# KiCad board pannel_v2.kicad_pcb (continued)
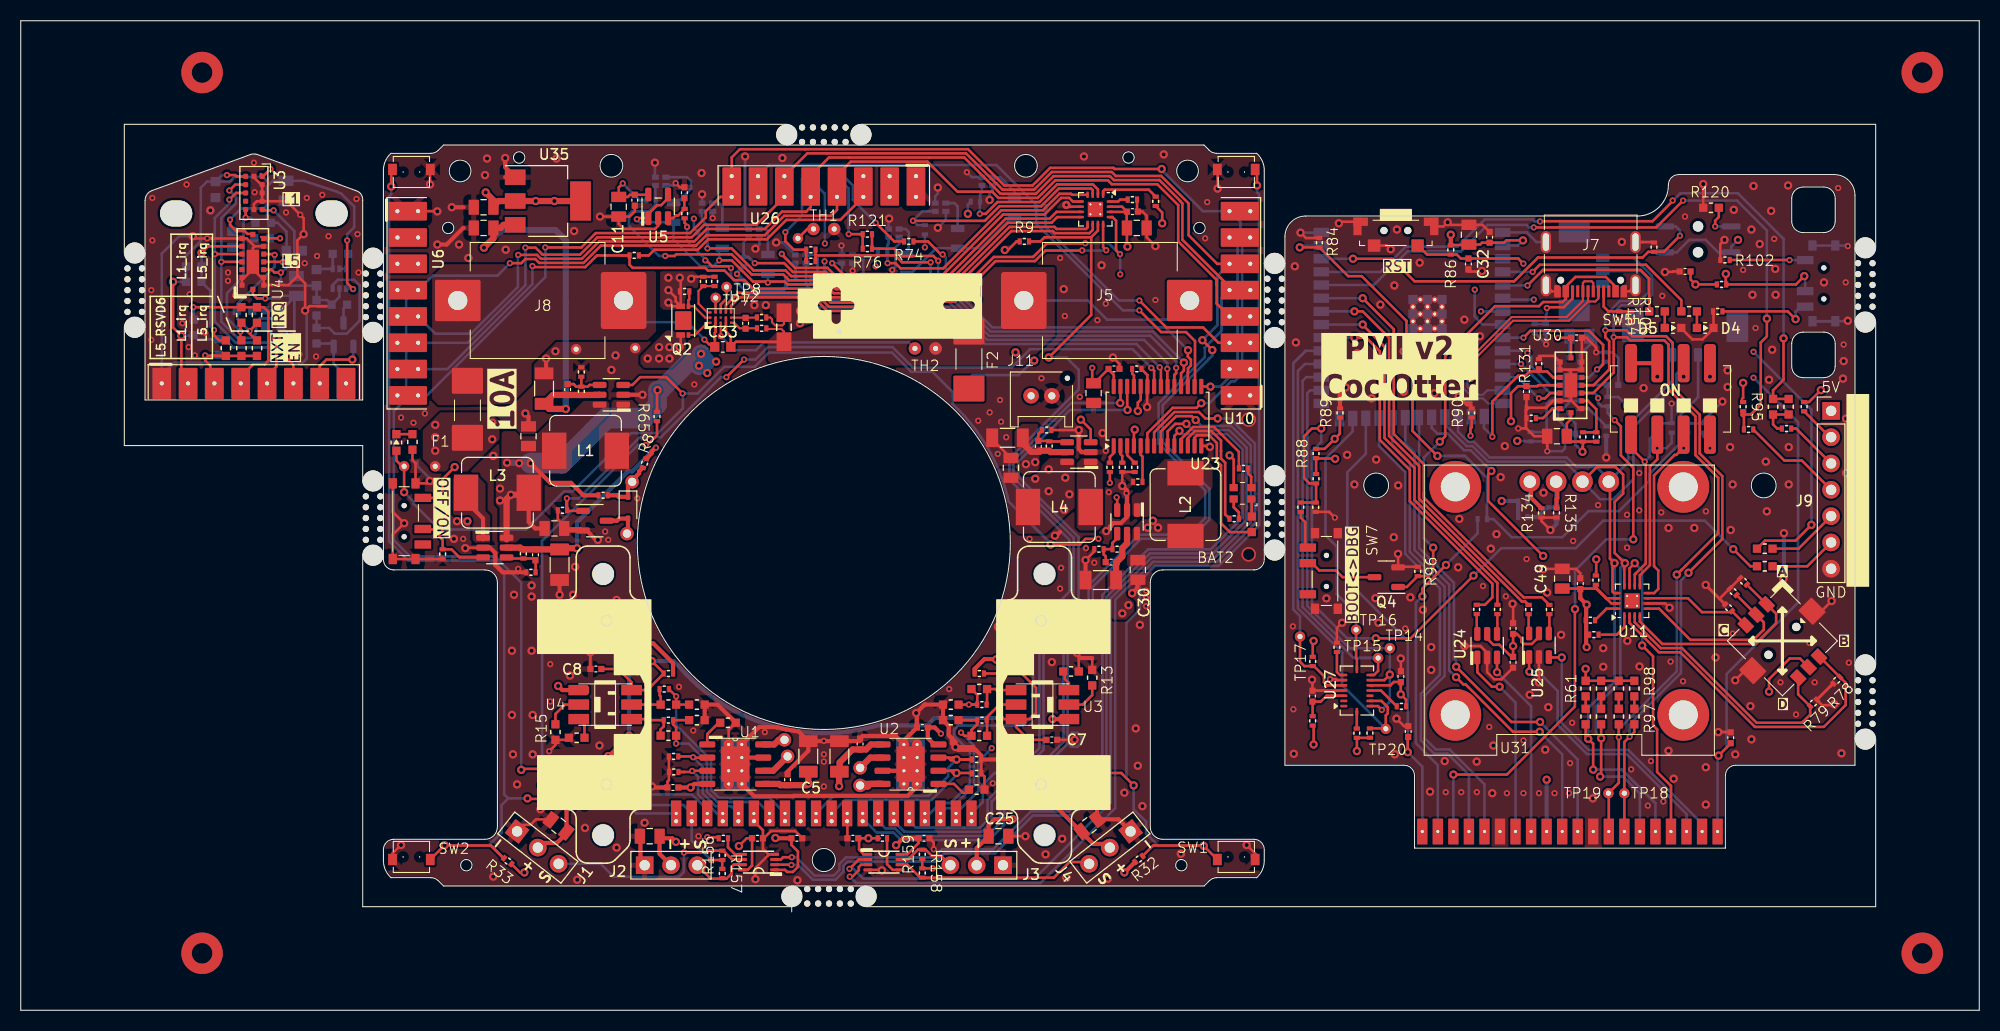
[diagram p0: board, top side]
## Routing (per net, layer and track width the routed paths; a pad name or vN(x,y) marks a point on that pad's centre or on a via; arc(x,y) is an arc through that point) (continued)
  Bottom w0.4: J50.2 J50.2
/actuators/enable_tof_1_3v3: length 55.7
  Top w0.25: v3(107.95,67.55) 110.05,65.45 112.45,65.45 113.32,64.58 113.32,60.24 113.28,60.2 113.28,59.58
  Bottom w0.25: v3(107.95,67.55) 106.35,67.55 98,75.9 R85.2 98,77.72 94.15,81.58 72.22,81.58 U26.7
/actuators/enable_tof_2_3v3: length 87.5
  Top w0.25: v3(49.38,71.83) 49.47,71.72 54.47,71.72 55.6,72.85 57.9,72.85 ; 57.9,72.85 R87.2 58.75,71.95 59.05,71.65 66.06,71.65 66.32,71.39 67.91,71.39 68.83,70.47 69.83,70.47 70.65,69.65 76.8,69.65 78.15,68.3 83.06,68.3 v3(83.39,68.63) ; 57.9,72.85 58.45,72.85 ; v3(110.65,61.9) 110.65,60.23 110.68,60.2
  Top w0.4: 38.34,61.88 36.75,61.88
  Bottom w0.25: v3(110.65,61.9) 110.65,62.45 108.4,64.7 93.25,64.7 89.32,68.63 83.39,68.63 v3(83.39,68.63) ; v3(49.38,71.83) 49.38,70.08 41.17,61.88 U6.7
/actuators/enable_tof_3v3: length 27.1
  Top w0.25: U23.6 108.72,55.7 111.17,58.14 113.46,58.14 v2(113.92,58.59)
  Top w0.4: 116.07,74.58 116.98,74.58
  Bottom w0.25: v2(113.92,58.59) 114.71,58.59 116.81,60.7 117.13,60.7 117.88,61.44 117.88,73.81 U10.7
/actuators/led_RGB_b_3v3: length 43.5
  Top w0.25: U23.19 111.32,61.33 111.5,61.5 v3(111.5,62) ; R117.1 R11.1 ; 76.7,72.85 84.38,72.85 85.05,72.19 v3(87.8,72.19)
  Bottom w0.25: v3(87.8,72.19) 87.8,70.72 93.42,65.1 109,65.1 111.5,62.6 v3(111.5,62)
/actuators/led_RGB_g_3v3: length 40
  Top w0.25: 82.45,73.5 82.9,73.5 ; 82.9,73.5 R76.1 R121.1 ; 82.9,73.5 84.3,73.5 84.7,73.1 85,72.8 88.07,72.8 v3(88.53,72.33) ; v2(112.24,62.51) 112.24,61.74 111.97,61.47 U23.18
  Bottom w0.25: v2(112.24,62.51) 109.25,65.5 93.58,65.5 88.53,70.55 v3(88.53,72.33)
/actuators/led_RGB_r_3v3: length 35.9
  Top w0.25: v3(88.97,72.95) 88.8,72.95 87.55,74.2 R74.1 ; v2(112.64,63.7) 112.64,63.4 112.62,63.38 112.62,63.08 112.92,62.79 112.92,62.23 112.64,61.95 112.64,61.58 112.62,61.56 U23.17
  Bottom w0.25: v3(88.97,72.95) 89.27,72.64 89.27,70.38 93.75,65.9 110.44,65.9 v2(112.64,63.7)
/actuators/led_vbatt_B: length 12.5
  Top w0.25: U23.12 112.62,55.21 113.3,55.89 114.91,55.89 115.83,54.97 115.83,53.98 115.82,53.98 115.82,53.25 116.23,52.85 116.23,47.86 R62.2
/actuators/led_vbatt_G: length 9.3
  Top w0.25: U23.11 111.97,55.13 113.13,56.29 115.16,56.29 117.55,53.9 R63.2
/actuators/led_vbatt_R: length 14.6
  Top w0.25: 113.28,54.47 113.28,55.26 113.5,55.49 114.68,55.49 115.43,54.75 115.43,53 115.83,52.6 115.83,47 116.68,46.15 R64.2
/actuators/line_led_pwm_3v3: length 55.4
  Top w0.25: v3(64.3,75.6) 64.3,75.77 64.07,76 R31.1 ; v3(66.06,72.38) 66.21,72.22 66.3,72.22 66.72,71.8 68.31,71.8 68.48,71.64 v3(68.54,71.64) ; U23.21 110.03,61.95 109.93,62.05 v3(109.91,62.05)
  Bottom w0.25: v3(109.91,62.05) 107.66,64.3 93.09,64.3 89.53,67.85 75.95,67.85 74.8,69 70.35,69 68.54,70.81 v3(68.54,71.64) ; v3(66.06,72.38) 66.06,72.46 64.3,74.22 v3(64.3,75.6)
/actuators/scl_3v3: length 125.8
  Top w0.25: U7.12 104.45,73.65 v3(104.75,73.35) ; 106.78,60.2 106.78,57.96 v2(106.8,57.94) ; v3(102.43,73.34) 102.47,73.38 102.47,73.43 102.36,73.32 98.89,73.32 97.87,72.3 94.07,72.3 90.17,68.4 84.57,68.4 83.66,67.5 77.82,67.5 76.52,68.8 69.37,68.8 68.55,67.98 U12.E3
  In1.Cu w0.25: v3(104.75,73.35) 106.8,71.3 v2(106.8,57.94)
  Bottom w0.25: J50.15 85.28,17.22 92.76,17.22 93.7,18.17 93.7,20.13 98.7,25.13 98.7,35.8 102.08,39.18 102.08,45.69 96.3,51.47 96.3,52.98 101.25,57.93 106.8,57.93 v2(106.8,57.94) ; v3(102.43,73.34) 102.45,73.32 104.72,73.32 v3(104.75,73.35)
  Bottom w0.4: J50.15 J50.15
/actuators/sda_3v3: length 125
  Top w0.25: U23.27 106.12,58.63 v2(106.1,58.61) ; U7.13 105.35,76.55 105.7,76.2 105.7,73.35 v3(106.08,72.98) ; v3(106.1,71.02) 106.12,71 106.12,70.9 ; U12.D3 68.05,68.05 69.25,69.25 76.64,69.25 77.99,67.9 83.5,67.9 84.4,68.8 90,68.8 93.9,72.7 97.7,72.7 99,74 102.7,74 v3(102.72,74.03)
  In1.Cu w0.25: v2(106.1,58.61) v3(106.1,71.02)
  Bottom w0.25: v2(106.1,58.61) 101.36,58.61 95.8,53.05 95.8,51.4 101.6,45.6 101.6,45.6 101.6,39.27 98.3,35.97 98.3,25.3 93.3,20.3 93.3,18.33 92.59,17.62 86.38,17.62 J50.16 ; v3(106.1,71.02) 106.1,72.95 v3(106.08,72.98) 106.02,72.98 104.97,74.03 v3(102.72,74.03)
  Bottom w0.4: J50.16 J50.16
/actuators/servo_pwm_0_3v3: length 86.1
  Top w0.25: v3(74.41,14.77) 73.57,14.77 73.35,14.55 U21.3 ; U23.10 111.32,55.43 v2(111.81,55.92) 111.9,55.84
  Bottom w0.25: v3(74.41,14.77) 74.83,14.77 76.6,13 78.45,13 79,13.55 79,14.12 79.63,14.75 88.13,14.75 88.93,15.55 93.85,15.55 97.5,19.2 101.15,19.2 104.37,22.42 104.37,40.07 108.79,44.49 114.84,44.49 117.9,47.55 117.9,54.1 116.4,55.6 112.14,55.6 v2(111.81,55.92) 111.82,55.92
/actuators/servo_pwm_0_5V: length 20.8
  Top w0.25: v3(64,15.23) 66.23,15.23 66.4,15.4 R156.2 67.8,15.4 68.65,14.55 U21.6
  Bottom w0.25: J1.3 55.96,14.14 57.22,12.88 63.52,12.88 64,13.36 v3(64,15.23)
/actuators/servo_pwm_1_3v3: length 88.4
  Top w0.25: 110.68,54.47 110.68,55.86 111.41,56.6 112.48,56.6 v2(112.49,56.59) ; 74.34,14.05 U21.2
  Bottom w0.25: v3(74.37,14.02) 75.01,14.02 76.43,12.6 78.62,12.6 79.4,13.38 79.4,13.95 79.8,14.35 88.3,14.35 89.1,15.15 94.02,15.15 97.67,18.8 101.32,18.8 104.77,22.25 104.77,39.9 108.96,44.09 115.04,44.09 118.3,47.35 118.3,54.3 116.6,56 113.08,56 v2(112.49,56.59)
/actuators/servo_pwm_1_5V: length 6.9
  Top w0.25: U21.7 69,14.05 69.2,14.05 68.8,14.05 68.6,13.85 68.6,13.2 68.1,12.7 66.59,12.7 J2.3 65.79,13.5
/actuators/servo_pwm_2_3v3: length 86.3
  Top w0.25: v3(79.97,13.65) 80.87,14.55 U17.2 ; v2(113.38,56.96) 113.01,57.34 111.5,57.34 110.03,55.86 U23.8
  Bottom w0.25: v2(113.38,56.96) 113.94,56.4 116.8,56.4 118.7,54.5 118.7,47.15 115.24,43.69 109.12,43.69 105.17,39.74 105.17,20.05 97.82,12.7 81.3,12.7 81.05,12.95 80.33,13.67 80,13.67 v3(79.97,13.65)
/actuators/servo_pwm_2_5V: length 5.9
  Top w0.25: U17.7 85.62,14.55 86.57,15.5 R159.2 87.33,15.5 87.93,14.9 88.81,14.9 J3.3
/actuators/servo_pwm_3_3v3: length 88.8
  Top w0.25: U23.7 109.38,55.78 111.33,57.74 113.7,57.74 114.32,57.11 v2(115.5,57.11) ; U17.3 81.1,14.05 80.88,13.82 80.88,13.52 80.25,12.9 v3(80,12.9)
  Bottom w0.25: v2(115.5,57.11) 116.69,57.11 119.1,54.7 119.1,46.95 115.44,43.29 109.29,43.29 105.62,39.62 105.62,19.5 98.39,12.28 80.62,12.28 v3(80,12.9)
/actuators/servo_pwm_3_5V: length 19.2
  Top w0.25: U17.6 85.55,14.05 86.8,12.8 R158.2 99.7,12.8 101.2,14.3 102.9,14.3
/boards interface/com/boot/dl_select_3v3: length 81.4
  Top w0.25: v2(165.26,44.5) 166.91,42.85 R140.1 ; v2(130.76,35.9) 134.12,35.9 138.9,40.67 138.92,40.67 v2(140.19,41.95) ; v2(125.5,56.15) 124.6,56.15 123.85,55.4 123.85,51.35 124.35,50.85 R93.2 125,49 123.41,49
  Bottom w0.25: v2(130.76,35.9) 128,35.9 124.6,39.3 124.6,53.95 125.5,54.85 v2(125.5,56.15) U32.27 ; v2(140.19,41.95) 140.22,41.95 142.87,44.6 150.06,44.6 152.71,47.25 162.51,47.25 v2(165.26,44.5) 165.31,44.45
/boards interface/com/ctc_left: length 78.1
  Top w0.25: 165.01,25.88 165.01,25.75 v2(163.84,24.57)
  In1.Cu w0.25: v3(167.21,61.05) 164.41,63.85 161.66,63.85 156.96,68.55 146.05,68.55 v3(146.01,68.58)
  Bottom w0.25: J49.20 163.75,24.49 v2(163.84,24.57) ; v2(163.84,24.57) 164.61,25.35 164.61,32.45 171.51,39.35 171.51,56.75 v3(167.21,61.05) ; v2(163.84,24.57) 163.96,24.7 ; U32.6 143.13,68.58 v3(146.01,68.58)
/boards interface/com/ctc_right: length 45.2
  Top w0.25: 134.01,26.37 133.85,26.21 v2(133.85,24.91)
  Bottom w0.25: U32.24 129.81,53.71 128.01,51.92 128.01,41.46 133.85,35.62 v2(133.85,24.91) 135.25,23.51 J49.1
/boards interface/com/dir_left: length 46
  Bottom w0.25: J49.5 141.25,21.81 137.88,25.18 136.55,25.18 135.51,26.22 135.51,30.38 137.4,32.27 137.4,40.89 134.05,44.24 134.05,52.9 132.34,54.61 U32.22
/boards interface/com/dir_right: length 47.9
  Top w0.25: v2(146.61,27.83) 143.85,27.83 v2(138.53,33.15)
  Bottom w0.25: v2(138.53,33.15) 138.51,33.16 138.51,33.75 138.3,33.96 138.3,41.26 134.95,44.61 134.95,57.14 U32.20 ; v2(146.61,27.83) 150.25,24.19 J49.11
/boards interface/com/emergency_stop_3v3: length 42.1
  Top w0.25: v2(164.54,71.07) 164.54,70.27 ; v2(172.11,70.85) 171.31,70.05 R119.2 164.76,70.05
  In1.Cu w0.25: v2(164.54,71.07) 160.8,71.07 159.23,72.63 143.39,72.63 v3(140.31,69.55)
  Bottom w0.25: v2(172.11,70.85) 172.2,70.76 SW3.B ; v3(140.31,69.55) 140.31,66.95 141.08,66.18 U32.8
/boards interface/com/EN_ESP32_3v3: length 64.1
  Top w0.25: v2(172.8,46.85) 171.28,45.33 168.32,45.33 R139.1 ; SW10.2 134.85,73.8 135.72,72.93 R86.2 138.58,72.93 138.96,72.55 144.51,72.55 v3(145.01,72.06)
  In1.Cu w0.25: v3(145.01,72.06) 145.01,72.06 156.91,72.06 157.99,70.98 157.99,70.97 158.38,70.57 158.39,70.57 162.61,66.35 164.41,66.35 v3(167.21,63.55)
  Bottom w0.25: v3(145.01,72.06) 144.86,72.2 144.86,72.2 144.53,72.53 U32.3 ; v3(167.21,63.55) 172.8,57.96 v2(172.8,46.85)
/boards interface/com/esp32_dbg_rx_3v3: length 68.6
  Top w0.25: 166.1,57.5 166.95,57.5 167.91,58.46 167.91,64.45 168.5,65.04 v2(168.5,66.75) ; 166.05,57.45 166.15,57.35 ; 166.21,57.5 166.29,57.42 R136.1 ; v3(160.42,78.15) 157.82,75.55 v3(146.01,75.55)
  Bottom w0.25: U32.36 130.58,69.99 133.84,73.25 139,73.25 141.54,75.8 145.31,75.8 145.56,75.55 v3(146.01,75.55) ; v2(168.5,66.75) 168.5,75.26 165.62,78.15 v3(160.42,78.15)
/boards interface/com/esp32_dbg_tx_3v3: length 3.5
  Top w0.25: R137.1 169.5,56.14 169.1,56.54 R91.2 R92.2
/boards interface/com/led_com_3v3: length 18.3
  Top w0.25: v3(145.4,69.95) 146.9,71.45 156.31,71.45 157.15,70.61 R83.1
  Bottom w0.25: v3(145.4,69.95) 143.04,69.95 U32.5
/boards interface/com/led_esp_3v3: length 20
  Top w0.25: R82.1 160.25,68.53 156.83,71.95 146.59,71.95 v3(145.9,71.26)
  Bottom w0.25: v3(145.9,71.26) 145.9,71.26 U32.4
/boards interface/com/left_encod_A_3v3: length 36.2
  Top w0.25: R144.2 141.3,39.14 142.01,39.85 142.01,41.17 134.05,49.13 134.05,52.15 131.15,55.05 131.15,63.6 129.84,64.91 v2(128.7,64.91)
  Bottom w0.25: v2(128.7,64.91) U32.32
/boards interface/com/left_encod_B_3v3: length 36.4
  Top w0.25: v2(129.5,66.18) 129.5,66.15 131.6,64.05 131.6,55.24 134.5,52.34 134.5,49.24 142.5,41.24 R145.2
  Bottom w0.25: U32.33 v2(129.5,66.18)
/boards interface/com/pwm_left: length 45.8
  Bottom w0.25: J49.4 139.75,22.71 137.69,24.78 136.39,24.78 135.11,26.05 135.11,30.55 136.95,32.39 136.95,40.7 133.6,44.05 133.6,51.95 131.07,54.47 U32.23
/boards interface/com/pwm_right: length 47.8
  Top w0.25: v2(146.58,26.88) 144,26.88 139.43,31.45 139.21,31.45 v2(138.51,32.15)
  Bottom w0.25: v2(138.51,32.15) 137.85,32.81 137.85,41.07 134.5,44.42 134.5,53.85 133.62,54.73 U32.21 ; v2(146.58,26.88) 148.75,24.71 J49.10
/boards interface/com/right_encod_A_3v3: length 42.6
  Top w0.25: v2(129.5,68.72) 132.5,65.72 132.5,55.61 135.4,52.71 135.4,49.95 ; R147.2 146.79,39.85 145.02,39.85 135.4,49.47 ; 135.4,49.47 135.4,49.95 ; 135.4,49.47 135.4,49.95
  Bottom w0.25: U32.35 v2(129.5,68.72)
/boards interface/com/right_encod_B_3v3: length 39.1
  Top w0.25: R146.2 145.19,39.45 144.86,39.45 134.95,49.36 134.95,52.52 132.05,55.42 132.05,64.9 129.5,67.45 v2(128.7,67.45)
  Bottom w0.25: U32.34 v2(128.7,67.45)
/boards interface/com/start_robot_3v3: length 39.5
  Top w0.25: v3(160.11,74.75) 158.56,73.2 157.06,73.2 156.51,72.65 146.41,72.65 144.11,70.35 134.5,70.35 132.32,72.53 v2(128.56,72.53)
  Bottom w0.25: v2(128.56,72.53) U32.38 ; v3(160.11,74.75) 160.11,75.25 159.71,75.65 U18.4
/boards interface/com/USB_D+: length 24.6
  Top w0.2: J7.A6 151.75,70.2 151.6,70.35 150.9,70.35 150.75,70.2 J7.B6 150.75,68.47 149.19,66.9 143.87,66.9 139.26,62.3 139.26,61.35 v2(138.96,61.05) 139.01,61.05
  Bottom w0.2: U32.14 141.6,58.56 141.11,59.05 140.21,59.05 139.21,60.05 139.21,60.8 v2(138.96,61.05)
/boards interface/com/USB_D-: length 23.1
  Top w0.2: 151.25,68.4 149.4,66.55 144.01,66.55 139.61,62.15 139.61,61.34 v2(139.91,61.04) ; 151.25,68.4 J7.A7 ; 151.25,68.4 151.95,68.4 152.25,68.7 J7.B7
  Bottom w0.2: v2(139.91,61.04) 139.61,60.74 139.61,60.14 140.36,59.4 141.11,59.4 141.54,59.83 U32.13
/boards interface/com/USB_VBUS: length 47.2
  Top w0.25: v2(136.94,54.88) 137.46,55.4 137.46,63.14 142.27,67.95 146.51,67.95 146.91,68.35 148.8,68.35 149.1,68.65 J7.A9 149.1,69.84 150.03,70.78 152.97,70.78 153.9,69.84 J7.A4 ; v2(136.3,44.65) 136.3,42.34 135.86,41.9 R96.1 133.76,40.85 Q4.1
  Bottom w0.25: v2(136.94,54.88) 135.4,53.34 135.4,45.55 v2(136.3,44.65)
/boards interface/dig_servo_cmd_top_3v3: length 73.4
  Top w0.25: 123.4,73.65 v2(123.43,73.62) 125.32,73.62 128.09,70.85 129.41,70.85 133.73,66.53 133.73,64.83 134.31,64.25 134.31,55.9 v2(136.71,53.5)
  Bottom w0.25: 137.91,53.5 139.26,53.5 ; 137.91,53.5 139.38,53.5 141.49,51.39 R103.1 142.11,47.4 143.86,45.65 148.76,45.65 151.29,48.17 154.24,48.17 157.16,51.1 157.16,51.75 159.99,54.58 159.99,57.29 161.86,59.17 J6.4 ; 137.91,53.5 v2(136.71,53.5) ; U32.39 123.6,73.8 v2(123.43,73.62)
/boards interface/i2C_io_int_3v3: length 85.4
  Top w0.25: 103.3,74.6 103.3,67.1 v2(99.2,63) ; 103.3,74.6 103.95,75.25 U7.11 ; 103.3,74.6 98.8,74.6 98.4,74.2 R9.2
  Bottom w0.25: J50.17 87.73,19 88.73,20 89.73,20 91.59,21.86 91.59,24.96 90.07,26.49 90.07,27.08 90.46,27.47 96.68,27.47 97.69,28.49 97.69,38.13 98.38,38.82 99.62,38.82 101.2,40.4 101.2,45.4 96.2,50.4 96.2,50.43 95.4,51.23 95.4,53.21 102.1,59.91 102.1,61.8 100.9,63 v2(99.2,63)
  Bottom w0.4: J50.17 J50.17
/boards interface/i2c_io_int_3v3: length 59.9
  Top w0.25: J49.17 159.25,21.66 157.91,22.99 157.91,27.11 157.52,27.51 157.52,34.16 v2(156.47,35.21) ; v2(155.75,43.15) 155.25,42.65 U11.11 ; 152,42.26 152.04,42.3 v2(152.04,43.52) ; v2(146.91,43.85) 141.61,49.15 141.61,51.75 v2(141.91,52.05)
  In1.Cu w0.25: 155.75,43.15 155.48,42.88 155.48,42.87 155.08,42.47 155.07,42.47 154.95,42.35 153.21,42.35 v2(152.04,43.52) 150.14,43.52 149.81,43.85 v2(146.91,43.85)
  Bottom w0.25: v2(141.91,52.05) 139.91,54.05 139.28,54.05 137.68,55.65 136.71,55.65 136.16,56.21 U32.19 ; v2(156.47,35.21) 156.47,36.08 156.47,36.09 156.47,42.42 v2(155.75,43.15) 155.75,43.15
/boards interface/interface/conf0: length 18.9
  Top w0.25: U11.10 155.75,42.05 155.85,42.15 155.85,42.15 156.81,43.12 156.81,52.85 v3(156.71,52.95) 155.39,54.27 SW5.1
  Bottom w0.25: R68.1 157.21,55.15 157.21,53.45 v3(156.71,52.95)
/boards interface/interface/conf1: length 18.2
  Top w0.25: 157.92,55.78 157.92,55.56 SW5.2 157.93,53.17 157.21,52.45 157.21,42.95 156.25,41.99 U11.9
  Bottom w0.25: v3(157.91,54.25) 158.81,54.25 159.31,54.75 R69.1
/boards interface/interface/conf2: length 19.5
  Top w0.25: 160.46,55.78 160.46,54.3 159.76,53.6 159.6,53.6 157.61,51.62 157.61,42.86 158.03,42.45 158.03,40.66 157.62,40.26 U11.8
  Bottom w0.25: v3(160.47,54.25) 160.81,54.59 R70.1
/boards interface/interface/conf3: length 35
  In1.Cu w0.25: v3(140.91,67.45) 141.21,67.15 154.56,67.15 159.16,62.55 159.16,60 163.01,56.15 v3(163.01,54.25)
  Bottom w0.25: 163.01,54.75 v3(163.01,54.25) ; 163.01,54.75 163.01,55.05 R71.1 ; 163.01,54.75 162.31,55.45 ; v3(140.91,67.45) U32.7
/boards interface/interface/select0: length 26
  Top w0.25: SW4.6 171.52,30.49 R79.1 172.68,28.53 171.9,27.75 167.51,27.75 160.31,34.95 158.25,34.95 155.75,37.45 U11.3
/boards interface/interface/select1: length 20.1
  Top w0.25: 166.78,40.87 168.46,39.19 SW4.1 169.4,38.27 169.4,37.37 167.38,35.35 158.41,35.35 156.25,37.51 U11.4
/boards interface/interface/select2: length 10.6
  Top w0.25: SW4.3 166.46,37.19 165.23,38.42 162.24,38.42 160.9,39.76 U11.7
/boards interface/interface/select3: length 32.4
  Top w0.25: SW4.4 173.58,34.13 176.1,31.61 176.1,29.45 174,27.35 167.35,27.35 160.15,34.55 158.08,34.55 155.25,37.38 U11.2
/boards interface/interface/select4: length 17.1
  Top w0.25: U11.5 158.1,38.76 161.11,35.75 167.21,35.75 168.2,36.74 168.2,37.45 SW4.2 165.78,39.87
/boards interface/left_encod_raw_A_3v3: length 18.8
  Top w0.25: U24.1 140.56,32.62 141.96,31.22 v2(142.71,31.22)
  Bottom w0.25: v2(142.71,31.22) 144.25,29.69 J49.7
/boards interface/left_encod_raw_B_3v3: length 18.2
  Top w0.25: v2(142.46,32.62) U24.3
  Bottom w0.25: J49.8 145.75,29.34 v2(142.46,32.62) 142.47,32.62
/boards interface/right_encod_raw_A_3v3: length 25.9
  Top w0.25: U25.3 147.5,34.05 v2(148.71,34.05)
  Bottom w0.25: v2(148.71,34.05) 148.71,27.72 151.3,25.12 155.14,25.12 162.25,18.01 J49.19
/boards interface/right_encod_raw_B_3v3: length 25.9
  Top w0.25: U25.1 145.56,32.7 v2(145.59,32.68)
  Bottom w0.25: J49.18 160.75,18.95 154.97,24.72 151.14,24.72 148.31,27.55 148.31,30.8 146.44,32.68 v2(145.59,32.68)
/boards interface/scl_tof_3v3: length 186.1
  Top w0.25: v2(114.03,64.67) v2(114.99,63.71) ; v3(48.7,73.6) 49.69,73.6 50.36,72.92 53.98,72.92 55.65,74.6 64.75,74.6 65.95,75.8 70.99,75.8 U26.6 ; 116.65,71.84 U10.6 115.46,72.04 112.7,74.8 112.7,77.87 110.05,80.52 105.67,80.52 105.28,80.9 99.51,80.9 97.81,79.2 94.75,79.2 94.15,79.8 94.12,79.8 91.22,82.7 77.83,82.7 77.83,82.7 75.9,82.7 73.7,80.5 U26.6 ; 81.28,18.47 81.25,18.5 ; 36.75,64.42 38.42,64.42
  Bottom w0.25: J50.13 81.51,18.25 82.61,17.15 84.22,17.15 84.94,16.42 93.43,16.42 94.9,17.9 94.9,19.6 101.03,25.73 101.03,25.82 101.42,25.42 101.98,25.42 102.38,25.82 102.38,26.38 101.98,26.78 101.42,26.78 101.03,26.38 101.03,35.62 103.45,38.05 103.45,40.85 108.1,45.5 112.87,45.5 114.7,47.33 114.7,50.34 110.2,54.84 110.2,58.4 114.66,62.86 114.66,62.86 114.99,63.19 v2(114.99,63.71) ; U10.6 115.47,70.86 115.47,66.11 v2(114.03,64.67) ; v3(48.7,73.6) 48.7,69.97 43.15,64.42 U6.6
  Bottom w0.4: 81.28,18.47 81.25,18.5
/boards interface/scl_top_3v3: length 84.6
  Top w0.25: v2(152.41,22.55) 152.51,22.65 v2(152.51,26.25) R59.2 ; U11.12 154.75,43.1 v2(154.8,43.15) 153.81,44.14 153.81,49.05 154.63,49.87 154.63,51.7 153.91,52.42 152.09,52.42 150.82,51.15
  Bottom w0.25: J6.3 160.61,62.25 159.76,61.4 159.76,60.4 155.61,56.25 155.61,51.25 153.69,49.33 152.4,49.33 U31.3 ; J49.15 156.25,20.91 154.61,22.55 v2(152.41,22.55) ; v2(154.8,43.15) 154.36,42.71 154.36,31.7 152.01,29.35 152.01,26.75 v2(152.51,26.25) ; 150.8,51.13 150.82,51.15 149.95,52.02 149.94,52.02 149.02,52.95 141.58,52.95 140.08,54.45 139.51,54.45 137.4,56.56 137.4,57.25 ; 150.8,51.02 150.77,51.05
/boards interface/scl_top_tof_3v3: length 100.4
  Top w0.25: J49.13 153.25,20.91 TP19.1 154.21,21.95 R100.2 ; v2(159.81,42.05) 160.26,42.5 163.81,46.05 163.81,51.38 161.61,53.58 161.61,57.32 159.01,59.92 159.01,64.25 158.61,64.65 155.31,64.65 155.01,64.95 153.72,64.95 v3(153.72,64.96) 153.72,61.54 151.74,59.57 U30.C3
  In1.Cu w0.25: v3(153.72,64.96) 153.72,65.74 153.21,66.25 147.36,66.25 144.78,63.67 v3(144.78,62.37)
  Bottom w0.25: U22.C3 147.58,59.57 v3(144.78,62.37) U32.11 ; v3(153.72,64.96) 153.72,67.29 154.48,68.05 156.41,68.05 157.41,69.05 157.41,70.85 155.66,72.6 J10.3 ; v2(159.81,42.05) 159.81,32.72 154.21,27.12 v3(154.21,26.35)
/boards interface/sda_tof_3v3: length 181.1
  Top w0.25: 76.23,80.06 U26.5 76.23,80.43 ; U10.5 116.65,69.82 115.8,70.66 115.8,70.67 112.1,74.37 112.1,77.87 111.9,78.07 111.9,78.1 109.88,80.12 109.85,80.12 109.85,80.12 105.5,80.12 105.12,80.5 105.08,80.5 99.67,80.5 97.97,78.8 94.55,78.8 91.05,82.3 87.67,82.3 87.67,82.3 79.93,82.3 79.93,82.3 78,82.3 76.23,80.53 U26.5 76.23,77.5 75.8,77.08 73.47,77.08 71.8,75.4 66.2,75.4 65,74.2 55.82,74.2 54.14,72.53 50.2,72.53 49.82,72.9 v3(48,72.9)
  Bottom w0.25: U6.5 40.01,65.3 43.46,65.3 47.97,69.81 47.97,72.88 v3(48,72.9) ; U10.5 115.88,68.72 115.88,65.56 114.26,63.94 114.26,63.03 109.8,58.57 109.8,54.67 114.3,50.17 114.3,47.5 112.7,45.9 107.93,45.9 103.05,41.02 103.05,38.22 100.62,35.79 100.62,25.89 94.5,19.77 94.5,18.07 93.26,16.82 85.11,16.82 84.38,17.55 83.45,17.55 J50.14
  Bottom w0.4: J50.14 J50.14
/boards interface/sda_top_3v3: length 81.7
  Top w0.25: v2(153.8,43.15) 153.61,42.96 153.61,40.4 153.75,40.26 U11.13 ; v2(153.8,43.15) 153.88,43.08 ; v2(153.8,43.15) 153.36,43.59 153.36,51.15 ; R149.2 151.01,26.45 v2(151.26,26.2) 151.74,25.72 v2(151.74,23.22)
  Bottom w0.25: v2(153.8,43.15) 153.8,43.15 153.8,31.71 151.26,29.17 v2(151.26,26.2) ; 157.75,19.98 154.64,23.08 ; 157.75,19.98 154.5,23.22 152.13,23.22 152.13,23.22 v2(151.74,23.22) ; 157.75,19.98 J49.16 ; U32.17 138.69,55.84 139.68,54.85 140.25,54.85 141.75,53.35 149.19,53.35 150.11,52.42 152.09,52.42 153.36,51.15 153.3,51.09 ; U31.4 155.11,52.88 155.11,56.45 159.36,60.7 J6.2 ; 153.3,51.04 153.31,51.05
/boards interface/sda_top_tof_3v3: length 96.8
  Top w0.25: v2(160.94,42.22) 164.21,45.5 164.21,51.54 162.01,53.74 162.01,57.48 159.41,60.08 159.41,64.42 158.78,65.05 155.51,65.05 154.94,65.62 v3(152.91,65.62) 152.91,64.95 153.29,64.58 153.29,61.84 151.77,60.32 U30.C4 ; R97.2 155.71,26.85 154.75,25.89 TP18.1 J49.14
  In1.Cu w0.25: v3(145.4,63.44) 147.59,65.62 v3(152.91,65.62)
  Bottom w0.25: 155.26,26.5 155.26,27.6 160.21,32.55 160.21,41.49 v2(160.94,42.22) ; U32.10 145.1,63.64 145.3,63.44 v3(145.4,63.44) 145.75,63.09 145.75,62.15 147.58,60.32 U22.C4 ; v3(152.91,65.62) 152.91,67.05 154.31,68.45 156.24,68.45 157.01,69.22 157.01,70.65 156.31,71.35 J10.2
  vias: v3(155.26,26.4)
/boards interface/Sensor module/enable_back_tof_3v3: length 13.7
  Top w0.25: v3(142.01,55.35) 142.01,58.75 144.51,61.25 145.21,61.25 145.61,61.65 147.3,61.65 147.88,61.07 U30.A5
  Bottom w0.25: 141.2,57.35 141.2,56.2 142.01,55.39 v3(142.01,55.35)
/boards interface/Sensor module/enable_front_tof_3v3: length 16.1
  Top w0.25: v3(145.01,64.91) 145.68,65.58 151.34,65.58 152.7,64.21 152.7,62.34 152.21,61.85
  Bottom w0.25: R127.1 152.12,61.85 v3(152.11,61.85) 151.33,61.07 U22.A5 ; U32.9 v3(145.01,64.91)
/boards interface/Sensor module/gyro_miso_3v3: length 41.3
  Top w0.25: U27.10 131.57,31.86 v2(132.11,32.4) ; U27.15 130.97,29.36 v3(131.34,28.99)
  Bottom w0.25: v3(131.34,28.99) 132.11,29.76 TP14.1 128.24,34.94 124.15,39.04 124.15,59.55 124.43,59.83 U32.28
/boards interface/Sensor module/gyro_mosi_3v3: length 37.2
  Top w0.25: U27.9 130.59,32.36 130.99,32.75 TP15.1
  Bottom w0.25: 130.51,33.93 130.44,34 128.62,34 ; 128.62,34 123.7,38.92 123.7,60.75 124.05,61.1 U32.29 ; 128.62,34 TP15.1
/boards interface/Sensor module/gyro_ncs_accel_3v3: length 46.2
  Top w0.25: U27.14 131.31,29.86 131.92,29.24 131.92,28.65 131.73,28.46 TP20.1 131.69,27.2 R38.2
  Bottom w0.25: U32.30 123.92,62.37 123.25,61.7 123.25,38.8 127.51,34.54 127.51,31.38 TP20.1
/boards interface/Sensor module/gyro_ncs_gyro_3v3: length 39.4
  Top w0.25: TP17.1 123.45,33.63 123.86,33.21 R44.2 124.8,33.21 125.76,32.25 125.76,31.65 126.06,31.36 U27.5
  Bottom w0.25: TP17.1 123.45,38.03 122.8,38.68 122.8,62.45 122.9,62.55 ; 122.9,62.55 124,63.65 ; 122.9,62.55 123.99,63.64 U32.31
/boards interface/Sensor module/gyro_sck_3v3: length 26.6
  Top w0.25: U27.8 128.94,33.9 128.86,33.97 TP16.1
  Bottom w0.25: TP16.1 128.86,38.3 127,40.16 127,44.75 125.91,45.84 125.91,53.25 128.53,55.87 U32.25
/boards interface/Sensor module/VL53L5_I2C_RST_u22_3v3: length 3.3
  Bottom w0.25: R124.1 151.28,58.07 U22.A1
/boards interface/Sensor module/VL53L5_I2C_RST_u30_3v3: length 2.7
  Top w0.25: R128.1 146.9,57.15 147.82,58.07 U30.A1
/boards interface/tof_irq_3v3: length 69.8
  Top w0.25: v2(138.25,22.75) 143.41,22.75 149.97,29.31 149.97,38.7 v2(149.99,38.71) ; v3(153.81,56.95) 154.41,56.35 154.41,53.55 155.61,52.35 v2(155.61,45.45) ; v3(146.5,59.05) 147.08,59.05 147.6,59.57 U30.A3
  In1.Cu w0.25: v3(146.5,59.05) 146.53,59.08 v3(152.22,59.08)
  Bottom w0.25: v2(149.99,38.71) 149.99,42.43 153.01,45.45 v2(155.61,45.45) ; J49.3 v2(138.25,22.75) ; U32.12 144.45,61.1 v3(146.5,59.05) ; v3(153.81,56.95) 153.13,57.63 R123.2 152.57,58.29 152.21,58.65 152.21,59.08 v3(152.22,59.08) 152.29,59.15 152.3,59.15 151.88,59.57 U22.A3
/enable_tof_3v3: length 19.7
  Top w0.25: v3(24.4,77.2) 23.38,77.2 U3.5 ; v3(25.1,71.2) 24.48,71.2 24.2,71.48 U4#2.A5
  Bottom w0.25: v3(24.4,77.2) 26.4,75.2 26.4,72.42 25.18,71.2 v3(25.1,71.2) 25.1,70.3 25.47,69.92 C9#2.1 R15#2.2 29.55,68.55 R16#2.2 30.75,68.85 Q4#2.5
/power_supply/+cell: length 13.2
  Top w0.25: v3(65.97,64.72) 66.43,64.27 66.99,64.27 66.99,64.8 66.97,64.81 66.97,65.11 66.97,65.37 67.05,65.45 67.05,65.66 67.05,65.67 U12.B2
  Bottom w0.25: J8.1 60.28,66.4 64.3,66.4 v3(65.97,64.72)
/power_supply/-cell: length 29.1
  Top w0.2: R150.1 73.65,65.5 73.4,65.75 72.02,65.75 R81.1
  Top w0.25: C33.2 68.52,65.03 68.05,65.5 U12.D2 ; C33.2 68.8,64.3 ; C33.2 69.03,64.52 R150.1
  Bottom w0.25: J5.1 102.97,68.5 104.82,66.65 110.75,66.65 112.6,68.5 J5.1
/power_supply/enable_pw_conv_3v7: length 133.8
  Top w0.25: v3(105.75,49.5) 105.81,49.44 U29.3 ; U28.3 59.03,60.35 59.78,61.1 62.3,61.1 63.9,59.5 63.9,59.5 v3(63.87,59.53) ; v3(104,45.5) 102.75,45.5 102.2,44.95 v2(99.38,44.95) ; U33.3 42.35,43.7 41.57,44.48 R148.1 40.72,45.38 40.4,45.7 v2(40.4,46.4) 39.3,46.4 39.25,46.45 SW8.B ; v2(37,50) 37,52 ; D7.A 36.25,53.05 37,52.3 ; U34.3 103.25,56.05 v2(102.3,57)
  In1.Cu w0.25: v2(97.8,62.7) 100.8,59.7 100.8,58.5 v2(102.3,57) ; v3(105.75,49.5) 105.75,48.5 104,46.75 v3(104,45.5)
  Bottom w0.25: v2(99.38,44.95) 99.38,45.05 ; 99.38,45.05 97.67,46.77 ; 99.38,45.05 97.67,46.77 ; 89.95,59.65 90.2,59.65 ; 89.95,59.65 89.95,59.2 ; 89.95,59.65 87.97,61.62 85.93,61.62 84.07,63.47 72.2,63.47 70.82,62.1 67.9,62.1 65.32,59.53 v3(63.87,59.53) 63.9,59.5 63.9,58.1 61.5,55.7 58.9,55.7 53.28,50.08 52.42,50.08 48.75,46.4 v2(40.4,46.4) 37.9,48.9 37.9,49.1 v2(37,50) ; 90.2,59.65 90.2,59.65 91.85,61.3 96.3,61.3 97.7,62.7 v2(97.8,62.7) ; 90.2,59.65 89.95,59.4 89.95,59.2 ; 89.95,59.2 89.95,58.51 89.94,58.5 90.5,57.95 91.1,57.32 91.66,56.67 92.19,55.99 92.69,55.28 93.15,54.55 93.58,53.8 93.97,53.03 94.33,52.25 94.65,51.44 94.93,50.63 95.17,49.8 95.34,49.1 97.67,46.77
